# Altium PCB Final decision V5.PcbDoc (part 2 of 2) (continued)
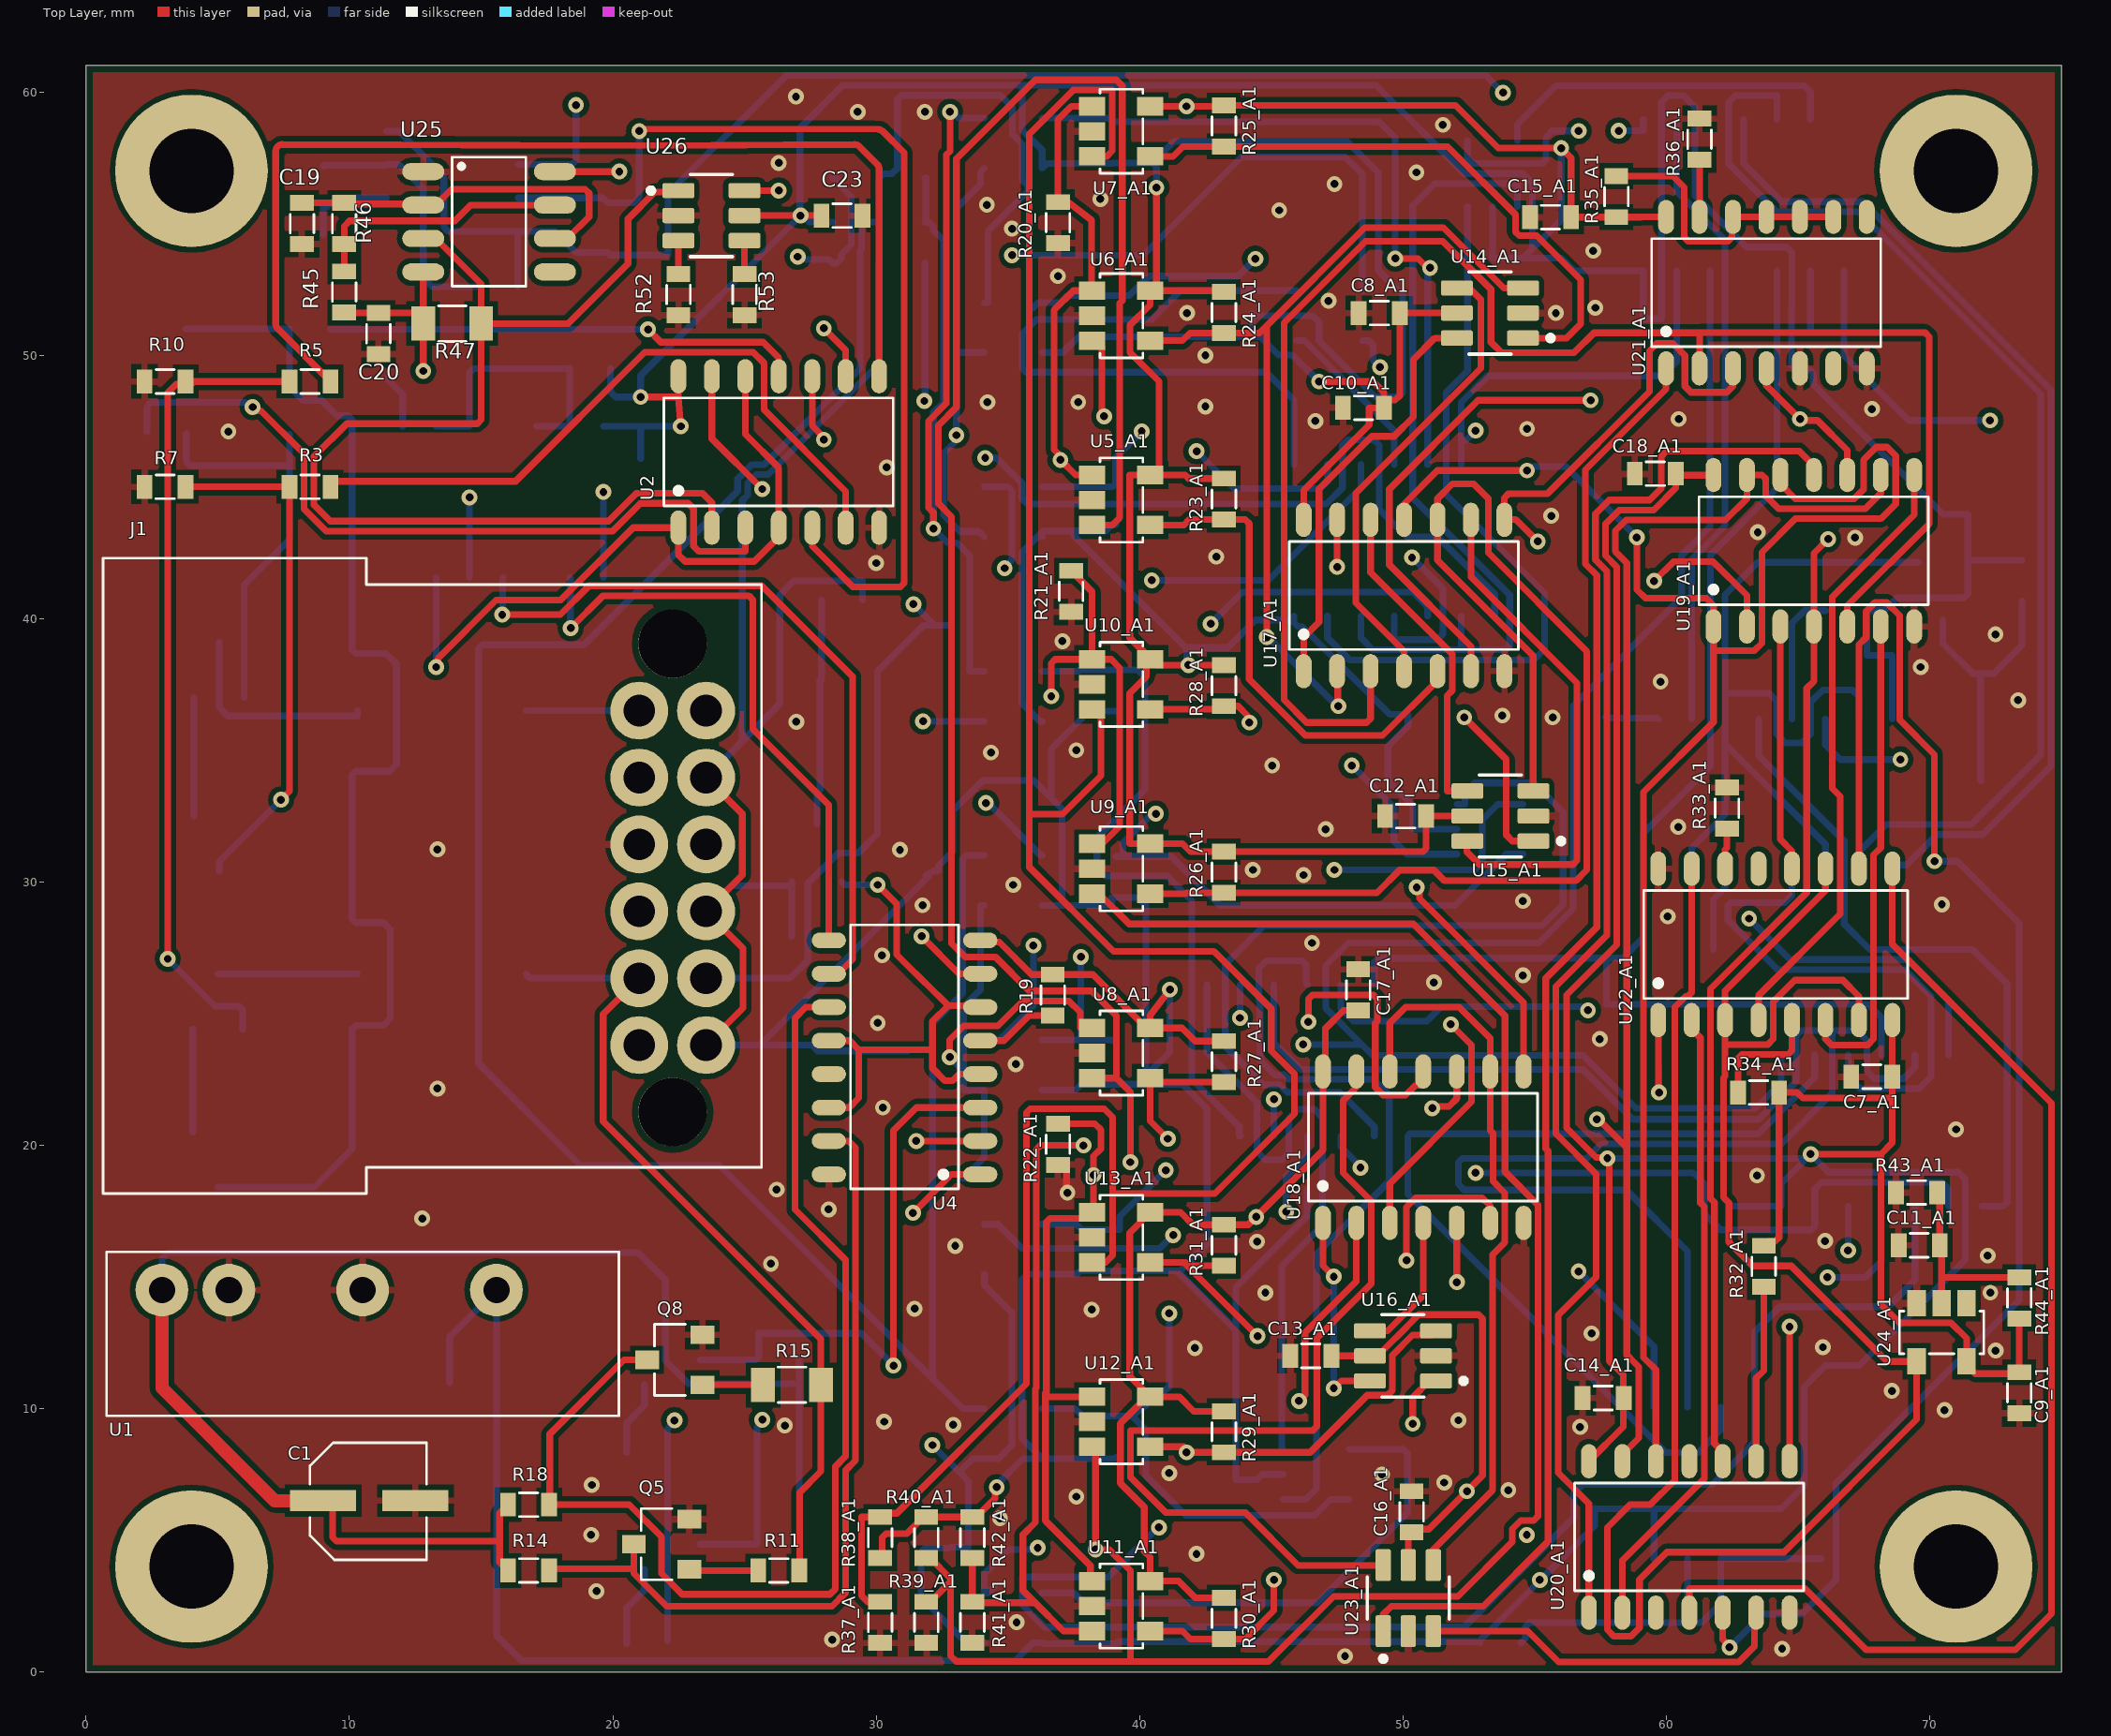
[diagram p0: Top Layer view]
## Nets (pads, with @x,y where several pads share a name; then routed paths per layer and width w, separated by ;. In a path a pad name is that pad's centre, name@x,y a point inside that pad or via, vN(x,y) a via of type N, cw(c..) or ccw(c..) an arc to the next point about the centre after c; other vN are vias at no path point) (continued)
RED_2: R51.2 U2.5 U27.3 | length 69.1
  Top Layer w0.254: v1@21,58.6 30.07,58.573 ; U2.5@27.57,43.45 27.57,42.742 29.112,41.2 30.915,41.2 31.064,41.349 31.064,57.683 ; v1@21,58.6 30.07,58.573 ; v1@21,58.6 30.07,58.573 ; v1@21,58.6 30.07,58.573 ; 30.07,58.573 cw(c30.07,58.319) 30.249,58.498 ; 30.07,58.573 cw(c30.07,58.319) 30.249,58.498 ; 30.07,58.573 cw(c30.07,58.319) 30.249,58.498 ; 30.07,58.573 cw(c30.07,58.319) 30.249,58.498 ; 30.249,58.498 31.064,57.683 ; 30.249,58.498 31.064,57.683 ; 30.249,58.498 31.064,57.683
  Bottom Layer w0.254: U27.3@16.4,55.97 19.61,55.97 R51.2@19.8,55.78 20.8,55.78 20.926,55.906 ccw(c20.746,56.085) 21,56.085 v1(21,58.51)
RED_LED_1: R6.2 U2.3 | length 31.1
  Top Layer w0.254: v1(6.325,48.03) 6.418,48.03 6.556,47.892 6.642,47.892 8.23,46.303 8.272,46.262 8.272,44.379 8.272,44.162 9.113,43.321 9.33,43.321 19.997,43.321 21.05,44.374 22.86,44.374 23.063,44.171 23.063,42.748 23.266,42.545 25.03,42.545 U2.3@25.03,43.45
  Bottom Layer w0.254: R6.2@2.306,47.083 2.306,47.955 ; v1(6.325,48.03) 6.231,48.03 6.052,48.209 2.56,48.209 ; 2.306,47.955 cw(c2.56,47.955) 2.56,48.209 ; 2.306,47.955 cw(c2.56,47.955) 2.56,48.209 ; 2.306,47.955 cw(c2.56,47.955) 2.56,48.209 ; 2.306,47.955 cw(c2.56,47.955) 2.56,48.209
RED_LED_2: R3.2 U2.6 | length 40.2
  Top Layer w0.254: U2.6@28.84,43.45 28.84,44.831 25.748,47.923 25.748,49.692 25.325,50.114 21.209,50.114 16.307,45.212 ; R3.2@9.28,45.212 16.307,45.212 ; R3.2@9.28,45.212 16.307,45.212 ; R3.2@9.28,45.212 16.307,45.212
Red_On1_A1: U17_A1.3 U19_A1.5 U21_A1.2 | length 62.6
  Top Layer w0.254: U17_A1.3@48.77,38 48.77,36.2 48.621,36.051 46.342,36.051 45.483,36.909 45.483,51.234 48.579,54.331 51.511,54.331 53.34,52.502 53.34,50.495 53.746,50.089 56.488,50.089 57.25,50.851 61.26,50.851 ; U21_A1.2@61.26,49.5 61.26,50.851 ; U19_A1.5@66.87,39.7 66.87,40.488 69.977,43.595 69.977,50.702 69.828,50.851 61.26,50.851
Red_On1_A2: U17_A2.3 U19_A2.5 U21_A2.2 | length 66.4
  Bottom Layer w0.254: U17_A2.3@45.1,26.1 45.1,23.886 46.103,22.883 56.825,22.883 58.725,20.983 63.5,20.983 64.922,22.405 64.922,24.155 65.126,24.359 66.303,24.359 ; 52.985,19.5 56.979,19.5 57.531,20.052 64.375,20.052 66.303,21.98 66.303,24.359 ; 52.984,19.5 52.253,19.5 52.104,19.351 52.104,18.517 52.324,18.296 58.48,18.296 60.8,15.977 U21_A2.2@60.8,10.05 ; U19_A2.5@69.44,23.435 69.44,22.961 69.012,22.533 67.891,22.533 67.615,22.809 67.615,23.978 67.234,24.359 66.303,24.359
Red_On2_A1: U17_A1.8 U19_A1.2 U21_A1.3 | length 28.1
  Top Layer w0.254: U17_A1.8@53.85,43.75 U17_A1.8@53.85,43.764 ; v1(55.118,42.926) 54.28,43.764 ; v1(59.538,41.427) 60.274,42.164 61.773,42.164 63.06,40.877 U19_A1.2@63.06,39.7 ; U21_A1.3@62.53,49.5 62.53,48.819 62.301,48.59 60.935,48.59 60.706,48.819 60.706,49.987 60.249,50.444 59.639,50.444 59.363,50.168 59.363,48.619 55.477,44.733 53.999,44.733 53.85,44.584 U17_A1.8@53.85,43.764 ; U17_A1.8@53.85,43.764 54.28,43.764 ; U17_A1.8@53.85,43.764 54.28,43.764 ; U17_A1.8@53.85,43.764 54.28,43.764
  Layer 1 w0.254: v1(55.118,42.926) 58.039,42.926 v1(59.538,41.427)
Red_On2_A2: U17_A2.8 U19_A2.2 U21_A2.3 | length 36.6
  Bottom Layer w0.254: U21_A2.3@62.07,10.05 62.07,9.195 61.206,8.331 59.984,8.331 50.18,18.136 U17_A2.8@50.18,20.35 50.261,20.431 63.484,20.431 65.63,22.577 U19_A2.2@65.63,23.435
Red_On3_A1: U18_A1.3 U19_A1.10 U21_A1.4 | length 43.3
  Top Layer w0.254: U18_A1.3@49.5,17.05 49.5,18.542 52.603,21.645 52.603,23.8 v1(51.816,24.587) ; U21_A1.4@63.8,49.5 63.8,48.849 v1(65.075,47.574) 65.126,47.523 65.735,47.523 66.87,46.389 U19_A1.10@66.87,45.45
  Layer 1 w0.254: v1(51.816,24.587) 51.816,24.735 52,24.919 52,25 65.075,38.075 v1(65.075,47.574)
Red_On3_A2: U18_A2.3 U19_A2.10 U21_A2.4 | length 99.7
  Layer 2 w0.254: v1(40.462,41.453) 40.462,39.776 39.573,38.887 39.573,20.752 40.31,20.015 40.31,5.817 40.64,5.486 v1(40.731,5.486)
  Bottom Layer w0.254: v1(40.462,41.453) 44.882,41.453 48.4,44.971 U18_A2.3@48.4,45.85 ; v1(40.731,5.486) 40.696,5.486 38.811,3.602 35.548,3.602 35.548,2.896 35.548,2.546 36.392,1.702 52.328,1.702 56.472,5.846 56.472,5.85 56.486,5.864 56.486,6.778 56.82,7.112 61.74,7.112 63.34,8.712 U21_A2.4@63.34,10.05 63.34,12.896 64.313,13.868 68.424,13.868 69.44,14.884 U19_A2.10@69.44,17.685
RED_Signal_1: C20.2 R45.1 R47.1 U18_A1.11 U25.4 U25.8 | length 76.4
  Top Layer w0.254: R45.1@9.8,51.62 9.81,51.61 11.09,51.61 C20.2@11.1,51.6 12.477,51.6 R47.1@12.8,51.277 ; v1(12.8,49.4) R47.1@12.8,51.277 ; U25.4@12.8,53.16 R47.1@12.8,51.277 ; U25.8@17.8,56.97 v1(20.246,56.97) ; v1(46.406,24.684) 46.406,25.546 46.565,25.705 48.873,25.705 49.022,25.556 49.022,24.714 48.946,24.638 48.946,22.2 49.251,21.895 50.092,21.895 50.475,22.277 ; U18_A1.11@50.77,22.8 U18_A1.11@50.77,22.277 ; 50.475,22.277 U18_A1.11@50.77,22.277 ; 50.475,22.277 U18_A1.11@50.77,22.277 ; 50.475,22.277 U18_A1.11@50.77,22.277
  Layer 1 w0.254: v1(20.246,56.97) 20.18,56.904 20.018,56.904 12.866,49.752 12.866,49.466 v1(12.8,49.4) 26.043,45.78 cw(c25.976,45.535) 26.23,45.535 26.23,39.963 38.009,28.184 42.906,28.184 v1(46.406,24.684)
RED_Signal_2: C22.2 R49.1 R51.1 U18_A2.11 U27.4 U27.8 | length 91.4
  Layer 2 w0.254: v1(50.343,42.316) 50.343,50.597 53.797,54.051 v1(53.797,59.969)
  Bottom Layer w0.254: U27.8@11.4,58.51 U27.8@11.875,58.51 ; R49.1@16.38,52.6 16.38,54.68 U27.4@16.4,54.7 ; U18_A2.11@49.67,40.1 49.67,39.243 49.715,39.198 51.308,39.198 51.511,39.401 51.511,41.148 v1(50.343,42.316) ; v1(53.797,59.969) 53.144,60.623 26.587,60.623 22.1,56.136 C22.2@22.1,53.8 19.9,53.8 R51.1@19.8,53.9 ; U27.8@11.875,58.51 13.511,56.875 ; U27.8@11.875,58.51 13.511,56.875 ; U27.8@11.875,58.51 13.511,56.875 ; 13.51,56.875 cw(c13.331,56.695) 13.585,56.695 ; 13.511,56.875 cw(c13.331,56.695) 13.585,56.695 ; 13.511,56.875 cw(c13.331,56.695) 13.585,56.695 ; 13.511,56.875 cw(c13.331,56.695) 13.585,56.695 ; 13.585,54.954 ccw(c13.839,54.954) 13.839,54.7 ; 13.585,54.954 ccw(c13.839,54.954) 13.839,54.7 ; 13.585,54.954 ccw(c13.839,54.954) 13.839,54.7 ; 13.585,54.954 ccw(c13.839,54.954) 13.839,54.7 ; 13.585,54.954 13.585,56.695 ; 13.585,54.954 13.585,56.695 ; 13.585,54.954 13.585,56.695 ; 13.585,54.954 13.585,56.695 ; 13.839,54.7 U27.4@16.4,54.7 ; U27.4@16.4,54.7 17.8,54.7 18.6,53.9 ; 18.6,53.9 R51.1@19.8,53.9 ; 18.6,53.9 R51.1@19.8,53.9 ; 18.6,53.9 R51.1@19.8,53.9
Reset: U3.4 U4.4 U4.6 U4.12 U4.14 | length 20.3
  Top Layer w0.254: U4.14@28.2,21.43 28.974,21.43 29.337,21.793 29.337,23.622 ; U4.12@28.2,23.97 28.989,23.97 29.337,23.622 ; v1(30.055,29.887) 30.774,29.168 30.774,27.236 31.043,26.967 31.044,26.966 32.734,25.302 ; U4.4@33.95,22.7 33.154,22.7 32.898,22.444 32.614,22.444 32.139,22.919 32.139,23.513 ; U4.6@33.95,25.24 33.889,25.302 32.734,25.302 ; 29.337,23.622 32.031,23.622 32.139,23.513 ; 32.139,23.513 32.139,23.622 32.139,24.707 32.734,25.302
  Bottom Layer w0.254: U3.4@28.7,30 28.813,29.887 v1(30.055,29.887)
Reset_A1: U22_A1.3 U22_A1.7 U22_A1.11 U22_A1.15 U24_A1.4 | length 84.5
  Top Layer w0.254: U22_A1.15@60.96,30.5 60.96,25.801 60.811,25.652 60.731,25.652 60.318,25.239 60.318,7.283 59.385,6.35 58.623,6.35 57.76,5.486 57.76,1.602 58.014,1.348 58.65,1.348 58.979,1.676 58.979,3.505 60.02,4.547 64.461,4.547 69.5,9.586 U24_A1.4@69.5,11.786 ; 62.23,23.901 62.306,23.825 63.856,23.825 64.059,24.028 64.059,25.451 64.872,26.264 66.7,26.264 67.31,25.654 U22_A1.7@67.31,24.75 ; U22_A1.11@66.04,30.5 66.04,29.667 62.23,25.857 U22_A1.3@62.23,24.75 62.23,23.825 62.23,22.616 62.168,22.554 62.168,18.015 62.376,17.807 62.376,16.313 63.271,15.418 64.745,15.418 68.377,11.786 ; U24_A1.4@69.5,11.8 U24_A1.4@69.5,11.786 ; 68.377,11.786 U24_A1.4@69.5,11.786 ; 68.377,11.786 U24_A1.4@69.5,11.786 ; 68.377,11.786 U24_A1.4@69.5,11.786
Reset_A2: U22_A2.3 U22_A2.7 U22_A2.11 U22_A2.15 U24_A2.4 | length 34.3
  Bottom Layer w0.254: U22_A2.15@60.96,30.435 60.96,31.288 62.23,32.558 62.23,35.236 ; U22_A2.11@66.04,30.435 66.04,31.426 62.23,35.236 ; U22_A2.7@67.31,36.185 67.31,37.033 67.056,37.287 65.938,37.287 65.481,36.83 65.481,35.611 65.151,35.281 64.516,35.281 64.186,35.611 64.186,36.881 63.906,37.16 62.23,37.16 ; U24_A2.4@69.55,42.135 63.471,42.135 62.23,40.894 62.23,37.16 ; 62.23,35.236 62.23,37.16
Sgn_In1: J1.3 R20_A1.2 R20_A2.2 U5_A1.1 U5_A2.1 U6_A1.1 U6_A2.1 U7_A1.1 U7_A2.1 | length 119.2
  Top Layer w0.254: U5_A1.1@38.2,45.45 37.567,45.45 v1(36.992,46.025) 36.992,46.173 36.758,46.407 36.758,51.717 37.49,52.45 U6_A1.1@38.176,52.45 ; U6_A1.1@38.2,52.45 U6_A1.1@38.176,52.45 ; U7_A1.1@38.2,59.45 37.405,59.45 36.9,58.945 R20_A1.2@36.9,55.813 37.287,55.813 38.176,55.127 ; U6_A1.1@38.176,52.45 38.176,55.127 ; U6_A1.1@38.176,52.45 38.176,55.127 ; U6_A1.1@38.176,52.45 38.176,55.127
  Layer 2 w0.254: J1.3@23.54,31.42 25.926,29.034 cw(c25.746,28.855) 26,28.855 26,20.72 cw(c25.746,20.72) 25.926,20.541 25.195,19.81 ccw(c25.375,19.631) 25.121,19.631 25.121,8.863 ccw(c25.375,8.865) 25.373,8.611 v1(32.131,8.611) 27.279,13.463 27.279,22.951 31.709,27.38 31.953,27.38 32.277,27.704 32.277,28.161 32.277,28.484 32.461,28.669 32.461,41.494 v1(36.992,46.025)
  Bottom Layer w0.254: v1(32.131,8.611) 33.148,7.593 ; U7_A2.1@34.1,1.1 34.041,1.159 33.368,1.159 31.7,2.826 31.7,4.548 31.849,4.697 32.759,4.697 R20_A2.2@32.8,4.738 33.503,4.738 33.503,7.239 33.148,7.593 ; U5_A2.1@34.1,15.1 U5_A2.1@34.112,15.1 ; 33.148,7.593 33.655,8.1 U6_A2.1@34.1,8.1 34.646,8.1 35.154,8.608 35.154,13.64 34.112,14.681 ; 34.112,14.681 U5_A2.1@34.112,15.1 ; 34.112,14.681 U5_A2.1@34.112,15.1 ; 34.112,14.681 U5_A2.1@34.112,15.1
Sgn_In2: J1.1 R21_A1.2 R21_A2.2 U8_A1.1 U8_A2.1 U9_A1.1 U9_A2.1 U10_A1.1 U10_A2.1 | length 122.4
  Top Layer w0.254: v1(32.791,23.343) 32.791,24.003 33.325,24.536 34.62,24.536 35.56,25.476 37.313,25.476 37.744,25.044 ; v1(36.647,37.047) 36.647,38.301 36.796,38.45 U10_A1.1@38.2,38.45 ; R21_A1.2@37.4,41.813 38.2,41.013 U10_A1.1@38.2,38.45 ; U8_A1.1@38.2,24.45 U8_A1.1@37.744,24.45 ; U9_A1.1@38.2,31.45 38.583,31.45 39.243,32.11 39.243,38.125 38.918,38.45 U10_A1.1@38.2,38.45 ; U8_A1.1@37.744,24.45 37.744,25.044 ; U8_A1.1@37.744,24.45 37.744,25.044 ; U8_A1.1@37.744,24.45 37.744,25.044
  Layer 1 w0.254: J1.1@23.54,36.5 28.829,31.211 28.829,27.305 v1(32.791,23.343) ; v1(31.775,36.1) 32.785,37.109 36.585,37.109 v1(36.647,37.047)
  Layer 2 w0.254: v1(32.791,23.343) 33.426,23.343 35.424,21.345 35.424,4.318 35.848,3.895 36.498,3.895 36.772,4.169 36.772,4.781 36.647,4.906 v1(36.647,37.047)
  Bottom Layer w0.254: v1(31.775,36.1) U8_A2.1@34.1,36.1 ; v1(32.791,23.343) 33.325,22.809 ; R21_A2.2@33.3,18.738 34.1,19.538 U10_A2.1@34.1,22.1 33.551,22.1 33.325,22.1 33.325,22.327 33.325,22.809 ; U9_A2.1@34.1,29.1 U9_A2.1@33.96,29.1 ; 33.325,22.809 33.325,25.273 33.96,25.908 ; 33.96,25.908 U9_A2.1@33.96,29.1 ; 33.96,25.908 U9_A2.1@33.96,29.1 ; 33.96,25.908 U9_A2.1@33.96,29.1
Sgn_In3: J1.5 R22_A1.2 R22_A2.2 U11_A1.1 U11_A2.1 U12_A1.1 U12_A2.1 U13_A1.1 U13_A2.1 | length 106
  Top Layer w0.254: R22_A1.2@36.9,20.813 38.303,20.813 38.527,20.589 38.527,19.865 38.25,19.588 v1(38.25,18.867) 38.25,17.5 37.977,17.227 36.607,17.227 36.458,17.078 36.458,10.625 36.422,10.589 36.422,10.45 ; U11_A1.1@38.2,3.45 38.131,3.519 38.131,4.032 36.422,5.742 36.422,10.45 ; U12_A1.1@38.2,10.45 37.448,10.45 36.422,10.45
  Layer 1 w0.254: J1.5@23.54,26.34 31.013,18.867 v1(38.25,18.867) ; v1(31.415,40.543) 31.415,42.305 27.018,46.702 27.018,47.462 27.341,47.785 29.838,47.785 30.661,46.962 v1(33.045,46.962)
  Bottom Layer w0.254: v1(31.415,40.543) 32.221,39.737 ; R22_A2.2@32.8,39.737 32.221,39.737 ; 33.095,50.1 U12_A2.1@34.1,50.1 ; U13_A2.1@34.1,43.1 33.891,43.309 33.173,43.309 32.551,43.931 32.551,46.264 32.979,46.692 32.979,46.896 v1(33.045,46.962) 33.045,55.574 33.963,56.491 33.963,56.963 U11_A2.1@34.1,57.1 ; J1.5@23.54,26.34 26.624,26.34 ; J1.5@23.54,26.34 26.624,26.34 ; J1.5@23.54,26.34 26.624,26.34 ; J1.5@23.54,26.34 26.624,26.34 ; 26.624,26.34 ccw(c26.624,26.594) 26.803,26.414 ; 26.624,26.34 ccw(c26.624,26.594) 26.803,26.414 ; 26.624,26.34 ccw(c26.624,26.594) 26.803,26.414 ; 26.624,26.34 ccw(c26.624,26.594) 26.803,26.414 ; 26.803,26.414 27.333,26.944 ; 26.803,26.414 27.333,26.944 ; 26.803,26.414 27.333,26.944 ; 27.333,26.944 ccw(c27.153,27.122) 27.407,27.122 ; 27.333,26.944 ccw(c27.153,27.122) 27.407,27.122 ; 27.333,26.944 ccw(c27.153,27.122) 27.407,27.122 ; 27.333,26.944 ccw(c27.153,27.122) 27.407,27.122 ; 27.407,27.122 27.407,29.947 28.55,31.09 29.312,31.09 30.048,31.826 30.048,37.985 31.801,39.737 32.221,39.737
Sgn_Out1: C3.2 C4.2 C5.2 C6.2 C7_A1.2 C7_A2.2 C8_A1.2 C8_A2.2 C9_A1.2 C9_A2.2 C10_A1.2 C10_A2.2 C12_A1.2 C12_A2.2 C13_A1.2 C13_A2.2 C14_A1.2 C14_A2.2 C15_A1.2 C15_A2.2 C16_A1.1 C16_A2.1 C17_A1.2 C17_A2.2 C18_A1.2 C18_A2.2 C23.2 C24.2 J1.2 J1.4 J1.6 R2.2 R19.1 R23_A1.2 R23_A2.2 R24_A1.2 R24_A2.2 R25_A1.2 R25_A2.2 R26_A1.2 R26_A2.2 R27_A1.2 R27_A2.2 R28_A1.2 R28_A2.2 R29_A1.2 R29_A2.2 R30_A1.2 R30_A2.2 R31_A1.2 R31_A2.2 R32_A1.2 R32_A2.2 R34_A1.1 R34_A2.1 R35_A1.1 R35_A2.1 R38_A1.1 R38_A2.1 R40_A1.2 R40_A2.2 R42_A1.2 R42_A2.2 R44_A1.2 R44_A2.2 R54.1 U1.6 U2.14 U3.5 U4.8 U5_A1.5 U5_A2.5 U6_A1.5 U6_A2.5 U7_A1.5 U7_A2.5 U8_A1.5 U8_A2.5 U9_A1.5 U9_A2.5 U10_A1.5 U10_A2.5 U11_A1.5 U11_A2.5 U12_A1.5 U12_A2.5 U13_A1.5 U13_A2.5 U14_A1.5 U14_A2.5 U15_A1.5 U15_A2.5 U16_A1.5 U16_A2.5 U17_A1.14 U17_A2.14 U18_A1.14 U18_A2.14 U19_A1.14 U19_A2.14 U20_A1.14 U20_A2.14 U21_A1.14 U21_A2.14 U22_A1.8 U22_A2.8 U23_A1.5 U23_A2.5 U24_A1.5 U24_A2.5 U26.5 U28.14 | length 881.7
  Top Layer w0.254: v1(22.578,47.299) 22.491,48.392 ; J1.6@23.54,23.8 24.943,25.203 24.943,27.477 J1.4@23.54,28.88 24.917,30.257 24.917,32.583 J1.2@23.54,33.96 ; U26.5@25,55.3 v1(27.125,55.3) C23.2@27.92,55.3 ; R38_A1.1@30.15,4.32 30.225,4.395 30.225,5.102 30.374,5.251 31.157,5.251 31.786,5.88 R40_A1.2@31.9,5.88 R42_A1.2@33.65,5.88 33.8,5.88 34.51,6.59 34.51,6.949 v1(34.576,7.016) ; U4.8@33.95,27.78 34.016,27.714 34.667,27.714 35.901,26.48 R19.1@36.7,26.48 38.229,26.48 40.259,24.45 U8_A1.5@40.4,24.45 ; U7_A1.5@40.4,59.45 v1(41.784,59.45) 43.168,59.45 R25_A1.2@43.2,59.482 51.997,59.482 53.618,57.861 v1(56.007,57.861) 56.38,57.488 C15_A1.2@56.38,55.358 ; v1(41.148,25.908) 40.4,24.93 U8_A1.5@40.4,24.45 ; R30_A1.2@43.2,2.812 42.116,2.812 41.478,3.45 U11_A1.5@40.4,3.45 40.4,4.356 40.179,4.577 40.179,6.255 39.269,7.165 39.269,9.436 40.283,10.45 U12_A1.5@40.4,10.45 ; R29_A1.2@43.2,9.896 42.057,9.896 41.504,10.45 U12_A1.5@40.4,10.45 ; R27_A1.2@43.2,23.953 42.102,23.953 41.605,24.45 U8_A1.5@40.4,24.45 ; R28_A1.2@43.2,38.231 v1(41.853,38.231) 40.661,38.231 U10_A1.5@40.442,38.45 ; R23_A1.2@43.2,45.315 41.867,45.315 41.732,45.45 U5_A1.5@40.509,45.45 ; R24_A1.2@43.2,52.399 43.149,52.45 U6_A1.5@40.64,52.45 ; U17_A1.14@46.23,43.75 46.23,44.868 48.717,47.356 48.717,48 C10_A1.2@49.28,48 C10_A1.2@49.28,48.118 ; v1(46.812,48.997) 48.87,48.997 49.28,48.586 C10_A1.2@49.28,48.118 ; C13_A1.2@47.28,12 U16_A1.5@48.745,12 49.06,12 49.223,12.163 49.223,12.182 50.165,13.124 50.165,13.132 50.597,13.564 52.872,13.564 53.021,13.415 53.021,7.454 v1(52.427,6.86) 50.987,5.42 ; C17_A1.2@48.3,25.12 47.743,25.12 47.058,24.435 U18_A1.14@47.058,23.173 ; U14_A1.5@52.045,51.6 50.952,51.6 C8_A1.2@49.88,51.6 49.88,48.464 49.707,48.291 49.453,48.291 C10_A1.2@49.28,48.118 ; U15_A1.5@52.445,32.5 C12_A1.2@50.88,32.5 50.88,31.267 50.76,31.148 R26_A1.2@43.2,31.148 41.933,31.148 41.631,31.45 U9_A1.5@40.4,31.45 39.624,31.45 39.624,37.16 40.259,37.795 ; C15_A1.2@56.207,55.531 C15_A1.2@56.38,55.358 ; U20_A1.14@57.06,8 58.369,9.309 C14_A1.2@58.369,10.389 ; C14_A1.2@58.38,10.4 58.369,10.411 58.369,11.278 57.826,11.821 57.826,19.434 v1(57.76,19.5) 57.732,19.528 57.332,19.528 56.208,20.652 56.208,25.703 58.119,27.614 58.119,41.954 57.685,42.388 57.685,43.59 58.213,44.118 59.52,44.118 60.36,44.958 C18_A1.2@60.36,45.441 ; U21_A1.14@59.99,55.25 59.04,55.25 59.03,55.24 R35_A1.1@58.1,55.24 C15_A1.2@56.38,55.24 C15_A1.2@56.38,55.358 ; C18_A1.2@60.36,45.5 C18_A1.2@60.36,45.441 ; U19_A1.14@61.79,45.45 U19_A1.14@61.79,45.441 ; R32_A1.2@63.7,16.18 63.873,16.353 64.131,16.353 64.28,16.502 R34_A1.1@64.28,22 64.97,22 65.176,21.793 68.58,21.793 ; v1(65.478,19.66) 68.148,19.66 ; U22_A1.8@68.58,24.75 C7_A1.2@68.58,22.6 68.58,21.793 ; R44_A1.2@73.4,13.42 C9_A1.2@73.4,11.38 73.343,11.323 71.727,11.323 71.4,11.65 U24_A1.5@71.4,11.8 71.4,12.663 70.815,13.248 68.859,13.248 68.148,13.959 68.148,19.66 ; v1(21.057,48.412) 22.49,48.412 ; v1(21.057,48.412) 22.49,48.412 ; v1(21.057,48.412) 22.49,48.412 ; 22.491,48.392 cw(c22.744,48.412) 22.49,48.412 ; 22.491,48.392 cw(c22.744,48.412) 22.49,48.412 ; 22.491,48.392 cw(c22.744,48.412) 22.49,48.412 ; 22.491,48.392 cw(c22.744,48.412) 22.49,48.412 ; 22.49,48.412 U2.14@22.49,49.2 ; 22.49,48.412 U2.14@22.49,49.2 ; 22.49,48.412 U2.14@22.49,49.2 ; 39.624,39.268 U10_A1.5@40.442,38.45 ; 39.624,39.268 U10_A1.5@40.442,38.45 ; 39.624,39.268 U10_A1.5@40.442,38.45 ; 39.624,39.268 39.624,45.45 U5_A1.5@40.4,45.45 U5_A1.5@40.509,45.45 ; 40.259,37.795 U10_A1.5@40.259,38.45 ; 40.259,37.795 U10_A1.5@40.259,38.45 ; 40.259,37.795 U10_A1.5@40.259,38.45 ; U10_A1.5@40.259,38.45 U10_A1.5@40.4,38.45 U10_A1.5@40.442,38.45 ; U12_A1.5@40.4,10.45 39.624,11.226 39.624,16.674 U13_A1.5@40.4,17.45 41.554,17.45 42.024,16.98 R31_A1.2@43.2,16.98 44.128,16.98 v1(44.428,17.28) 46.96,19.812 U18_A1.14@46.96,22.8 U18_A1.14@46.96,23.173 ; U5_A1.5@40.509,45.45 40.732,45.673 40.732,49.004 39.629,50.107 39.629,51.135 40.4,51.906 U6_A1.5@40.4,52.45 U6_A1.5@40.64,52.45 ; U6_A1.5@40.64,52.45 v1(40.64,56.363) ; U6_A1.5@40.64,52.45 v1(40.64,56.363) ; U6_A1.5@40.64,52.45 v1(40.64,56.363) ; U18_A1.14@46.96,23.173 U18_A1.14@47.058,23.173 ; U18_A1.14@46.96,23.173 U18_A1.14@47.058,23.173 ; U18_A1.14@46.96,23.173 U18_A1.14@47.058,23.173 ; U23_A1.5@50.2,4.055 C16_A1.1@50.2,5.3 ; U23_A1.5@50.2,4.055 C16_A1.1@50.2,5.3 ; U23_A1.5@50.2,4.055 C16_A1.1@50.2,5.3 ; C16_A1.1@50.2,5.3 C16_A1.1@50.263,5.364 ; C16_A1.1@50.2,5.3 C16_A1.1@50.32,5.42 ; C16_A1.1@50.2,5.3 C16_A1.1@50.263,5.364 ; C16_A1.1@50.2,5.3 C16_A1.1@50.263,5.364 ; C16_A1.1@50.263,5.364 C16_A1.1@50.32,5.42 ; C16_A1.1@50.263,5.364 C16_A1.1@50.32,5.42 ; C16_A1.1@50.263,5.364 C16_A1.1@50.32,5.42 ; C16_A1.1@50.32,5.42 50.987,5.42 ; C16_A1.1@50.32,5.42 50.987,5.42 ; C16_A1.1@50.32,5.42 50.987,5.42 ; C18_A1.2@60.36,45.441 U19_A1.14@61.79,45.441 ; C18_A1.2@60.36,45.441 U19_A1.14@61.79,45.441 ; C18_A1.2@60.36,45.441 U19_A1.14@61.79,45.441 ; 68.148,19.66 68.58,20.091 68.58,21.793
  Layer 1 w0.254: U1.6@15.58,14.5 15.58,14.049 22.613,7.016 v1(34.576,7.016) ; J1.4@23.54,28.88 25.4,30.74 25.4,33.151 24.964,33.588 23.912,33.588 J1.2@23.54,33.96 ; v1(40.64,56.363) 41.784,57.506 v1(41.784,59.45)
  Layer 2 w0.254: U1.6@15.58,14.5 22.48,7.6 23.351,7.6 23.5,7.749 23.5,19.1 25.121,20.72 25.121,22.219 J1.6@23.54,23.8 25.2,25.46 25.2,28.351 25.021,28.53 23.89,28.53 J1.4@23.54,28.88 ; v1(22.578,47.299) 22.873,46.621 ; J1.2@23.54,33.96 24.917,35.337 24.917,44.552 ; v1(31.826,48.26) 29.337,45.771 25.324,45.771 24.917,45.364 24.917,44.552 ; v1(41.148,25.908) 41.148,24.666 42.111,23.703 42.111,22.689 44.428,20.372 v1(44.428,17.28) ; v1(52.427,6.86) 52.493,6.794 52.493,6.194 v1(55.195,3.492) ; 22.873,46.621 ccw(c23.106,46.722) 22.925,46.544 ; 22.873,46.621 ccw(c23.106,46.722) 22.925,46.544 ; 22.925,46.544 24.917,44.552 ; 22.925,46.544 24.917,44.552 ; 22.926,46.543 24.917,44.552
  Bottom Layer w0.254: C5.2@13.8,10.98 13.8,12.72 U1.6@15.58,14.5 15.58,1.387 16.535,0.432 35.273,0.432 35.941,1.1 U7_A2.5@36.3,1.1 36.333,1.068 R25_A2.2@39.1,1.068 39.184,1.152 52.868,1.152 R35_A2.1@52.92,1.1 ; U28.14@19.64,47.3 21.109,47.3 ; R54.1@19.91,49.5 19.91,48.607 20.105,48.412 v1(21.057,48.412) 21.057,49.232 v1(27.125,55.3) ; C24.2@21.057,46.082 21.057,47.247 21.109,47.3 ; v1(22.578,47.299) 21.109,47.3 ; J1.6@23.54,23.8 25.58,23.8 ; J1.4@23.54,28.88 24.505,29.845 U3.5@26.789,29.845 ; J1.2@23.54,33.96 24.917,35.337 ; C4.2@26.779,27.932 26.789,27.943 U3.5@26.789,29.845 ; U3.5@26.8,30 26.789,29.989 U3.5@26.789,29.845 ; R38_A2.1@28.35,55.06 27.458,55.06 27.218,55.3 v1(27.125,55.3) ; R2.2@29.48,40.7 29.48,41.427 26.873,41.427 26.34,40.894 26.34,36.76 24.917,35.337 ; R40_A2.2@30.1,53.5 30.1,49.663 25.906,45.469 25.441,45.469 25.118,45.145 25.118,44.681 24.917,44.48 24.917,35.337 ; C6.2@31.2,23.58 27.779,23.58 27.559,23.8 25.58,23.8 ; v1(31.826,48.26) 31.85,48.284 R42_A2.2@31.85,53.5 ; v1(34.576,7.016) 34.642,7.082 34.642,7.182 35.56,8.1 U6_A2.5@36.3,8.1 35.535,8.865 35.535,14.884 35.75,15.1 U5_A2.5@36.3,15.1 37.617,15.1 37.752,15.235 R23_A2.2@39.1,15.235 41.402,15.235 ; 35.548,60.1 35.548,58.546 35.905,58.188 36.3,57.794 U11_A2.5@36.3,57.1 36.473,57.273 38.971,57.273 R30_A2.2@39,57.303 40.488,57.303 ; U6_A2.5@36.3,8.1 39.049,8.1 R24_A2.2@39.1,8.151 ; U10_A2.5@36.3,22.1 37.567,22.1 37.785,22.319 R28_A2.2@39.1,22.319 39.929,22.319 ; U9_A2.5@36.3,29.1 37.052,29.1 ; U8_A2.5@36.3,36.1 36.214,36.1 35.535,36.779 35.535,42.52 ; U13_A2.5@36.3,43.1 U13_A2.5@36.207,43.192 ; U12_A2.5@36.3,50.1 37.084,50.1 37.686,50.703 R29_A2.2@38.5,50.703 44.28,50.703 ; R27_A2.2@39.1,36.486 38.086,36.486 36.65,35.05 36.65,33.175 ; R31_A2.2@39.1,43.57 38.95,43.57 38.703,43.323 37.502,43.323 ; v1(40.64,56.363) 40.64,57.15 40.488,57.303 ; v1(41.148,25.908) 41.148,23.538 40.234,22.624 ; v1(41.853,38.231) 41.787,38.297 41.787,38.858 41.751,38.894 ; U14_A2.5@45.445,7.5 44.65,7.5 44.45,7.3 C8_A2.2@43.66,7.3 43.66,12.977 ; U18_A2.14@45.86,39.844 46.02,39.684 46.179,39.684 49.508,36.355 50.15,36.355 C17_A2.2@50.19,36.315 50.19,35.915 49.428,35.154 49.428,33.845 50.38,32.893 C12_A2.2@50.38,32 U15_A2.5@52.045,32 ; U18_A2.14@45.86,40.1 U18_A2.14@45.86,39.946 ; C10_A2.2@46.36,18.3 46.36,17.302 43.66,14.602 43.66,12.977 ; v1(46.812,48.997) 45.801,50.008 45.278,50.008 44.584,50.703 44.28,50.703 ; U23_A2.5@53.4,55.645 C16_A2.1@53.4,53.68 54.559,53.68 ; v1@55.207,3.481 57.28,5.554 ; v1(56.007,57.861) 56.007,55.128 54.915,54.036 ; C15_A2.2@57.28,6.2 C15_A2.2@57.28,6.198 ; v1(57.76,19.5) v1@65.318,19.5 ; U21_A2.14@59.53,4.3 59.53,6.198 ; C18_A2.2@62.38,17.685 U19_A2.14@64.36,17.685 64.36,18.542 v1@65.318,19.5 ; 68.579,38.6 C7_A2.2@67.619,38.6 67.609,38.61 67.609,40.29 R34_A2.1@67.6,40.3 68.272,40.3 68.751,40.779 71.301,40.779 71.45,40.928 U24_A2.5@71.45,42.135 U24_A2.5@71.45,42.215 ; U22_A2.8@68.58,36.185 68.58,38.601 ; 25.58,23.8 C3.2@31.952,30.172 ; 25.58,23.8 C3.2@31.952,30.172 ; 25.58,23.8 C3.2@31.952,30.172 ; v1(27.125,55.3) 27.102,55.323 27.102,58.623 28.723,60.244 48.976,60.244 52.326,56.894 54.561,56.894 54.915,56.54 54.915,54.036 ; C3.2@31.952,30.172 ccw(c31.771,30.35) C3.2@32.003,30.247 ; C3.2@31.952,30.172 ccw(c31.771,30.35) C3.2@32.003,30.247 ; C3.2@31.952,30.172 ccw(c31.771,30.35) C3.2@32.003,30.247 ; C3.2@31.952,30.172 ccw(c31.771,30.35) C3.2@32.003,30.247 ; C3.2@32.003,30.247 31.877,30.247 C3.2@32.2,30.42 C3.2@32.36,30.42 ; C3.2@32.36,30.42 C3.2@32.36,30.607 ; C3.2@32.36,30.42 C3.2@32.36,30.607 ; C3.2@32.36,30.42 C3.2@32.36,30.607 ; C3.2@32.36,30.607 32.902,31.149 32.902,32.699 34.061,33.858 35.966,33.858 36.65,33.175 ; 35.535,42.52 U13_A2.5@36.207,43.192 ; 35.535,42.52 U13_A2.5@36.207,43.192 ; 35.535,42.52 U13_A2.5@36.207,43.192 ; U13_A2.5@36.207,43.192 U13_A2.5@36.338,43.323 ; U13_A2.5@36.207,43.192 U13_A2.5@36.338,43.323 ; U13_A2.5@36.207,43.192 U13_A2.5@36.338,43.323 ; U13_A2.5@36.338,43.323 37.502,43.323 ; 36.65,33.175 37.052,32.773 37.052,29.1 ; 37.052,29.1 38.938,29.1 ; 37.502,43.323 37.502,43.143 41.751,38.894 ; 38.938,29.1 R26_A2.2@38.938,29.403 ; 38.938,29.1 R26_A2.2@38.938,29.403 ; 38.938,29.1 R26_A2.2@38.938,29.403 ; R26_A2.2@38.938,29.403 R26_A2.2@39.1,29.403 39.939,29.403 40.234,29.108 40.234,22.624 ; 39.929,22.319 40.234,22.624 ; 39.929,22.319 41.628,22.319 42.56,21.387 U17_A2.14@42.56,20.35 42.56,16.241 41.554,15.235 41.402,15.235 ; 40.488,57.303 41.3,58.115 47.879,58.115 49.056,56.938 49.056,53.23 49.989,52.297 49.989,48.574 49.84,48.425 48.933,48.425 46.812,50.546 46.812,51.257 46.569,51.5 U16_A2.5@45.945,51.5 44.38,51.5 C13_A2.2@44.28,51.6 44.28,50.703 ; 41.402,15.235 43.66,12.977 ; 41.751,38.894 43.348,38.894 44.162,39.709 44.399,39.946 ; 44.399,39.946 U18_A2.14@45.86,39.946 ; 44.399,39.946 U18_A2.14@45.86,39.946 ; 44.399,39.946 U18_A2.14@45.86,39.946 ; R35_A2.1@52.92,1.194 57.28,5.554 ; R35_A2.1@52.92,1.194 57.28,5.554 ; R35_A2.1@52.92,1.194 57.28,5.554 ; 54.559,53.68 54.915,54.036 ; 54.559,53.68 56.007,53.68 56.487,53.2 U20_A2.14@59.12,53.2 C14_A2.2@59.12,51.38 59.817,51.38 59.817,59.614 60.055,59.852 60.655,59.852 61.087,59.42 61.087,56.06 63.045,54.102 64.557,54.102 64.77,53.889 64.77,51.892 64.745,51.867 64.745,49.632 64.956,49.42 R32_A2.2@65.47,49.42 65.578,49.312 65.578,48.888 70.51,43.955 C9_A2.2@71.45,43.955 U24_A2.5@71.45,42.215 ; 57.28,5.554 C15_A2.2@57.28,6.198 ; C15_A2.2@57.28,6.198 59.53,6.198 ; C15_A2.2@57.28,6.198 59.53,6.198 ; C15_A2.2@57.28,6.198 59.53,6.198 ; 59.53,6.198 64.364,6.198 65.227,7.061 65.227,10.82 66.04,11.633 67.335,11.633 71.349,15.646 71.349,18.72 71.097,18.972 66.165,18.972 v1(65.478,19.66) v1@65.318,19.5 ; U24_A2.5@71.45,42.215 R44_A2.2@73.5,42.215 ; U24_A2.5@71.45,42.215 R44_A2.2@73.5,42.215 ; U24_A2.5@71.45,42.215 R44_A2.2@73.5,42.215
Trig: U26.6 U27.2 | length 15.9
  Top Layer w0.254: U26.6@25,56.25 v1(26.3,56.25)
  Layer 2 w0.254: v1(18.6,59.5) 22.351,59.5 22.5,59.351 22.5,57.3 23.55,56.25 v1(26.3,56.25)
  Bottom Layer w0.254: U27.2@16.4,57.24 18.451,57.24 18.6,57.389 v1(18.6,59.5)
pads on no net: J1.8 J1.10 J1.A U3.1 U4.13 U20_A1.3 U20_A1.11 U20_A2.3 U20_A2.11 U21_A1.6 U21_A1.8 U21_A2.6 U21_A2.8 U22_A1.13 U22_A2.13 U24_A1.1 U24_A2.1 U25.5 U27.5 U28.3 U28.11

## Polygon pours and split planes (outlines as drawn)
GND on Layer 2 "GND_L03_P002" (solid, remove dead copper, pour order 2): 0,0 75,0 75,61 0,61
GND on Layer 1 "GND_L02_P001" (solid, remove dead copper, pour order 1): 0,0 75,0 75,61 0,61
GND on Bottom Layer "GND_L04_P003" (solid, remove dead copper, pour order 3): -0.017,-0.054 74.983,-0.054 74.983,60.946 -0.017,60.946
GND on Top Layer "GND_L01_P000" (solid, remove dead copper, pour order 0): 0,0 75,0 75,61 0,61

## Silkscreen, mask and mechanical layers (free items; w line width, h text height)
Mechanical 1:
  the board outline again, w0.254